# Allegro board FEE5_10_30.brd (continued)
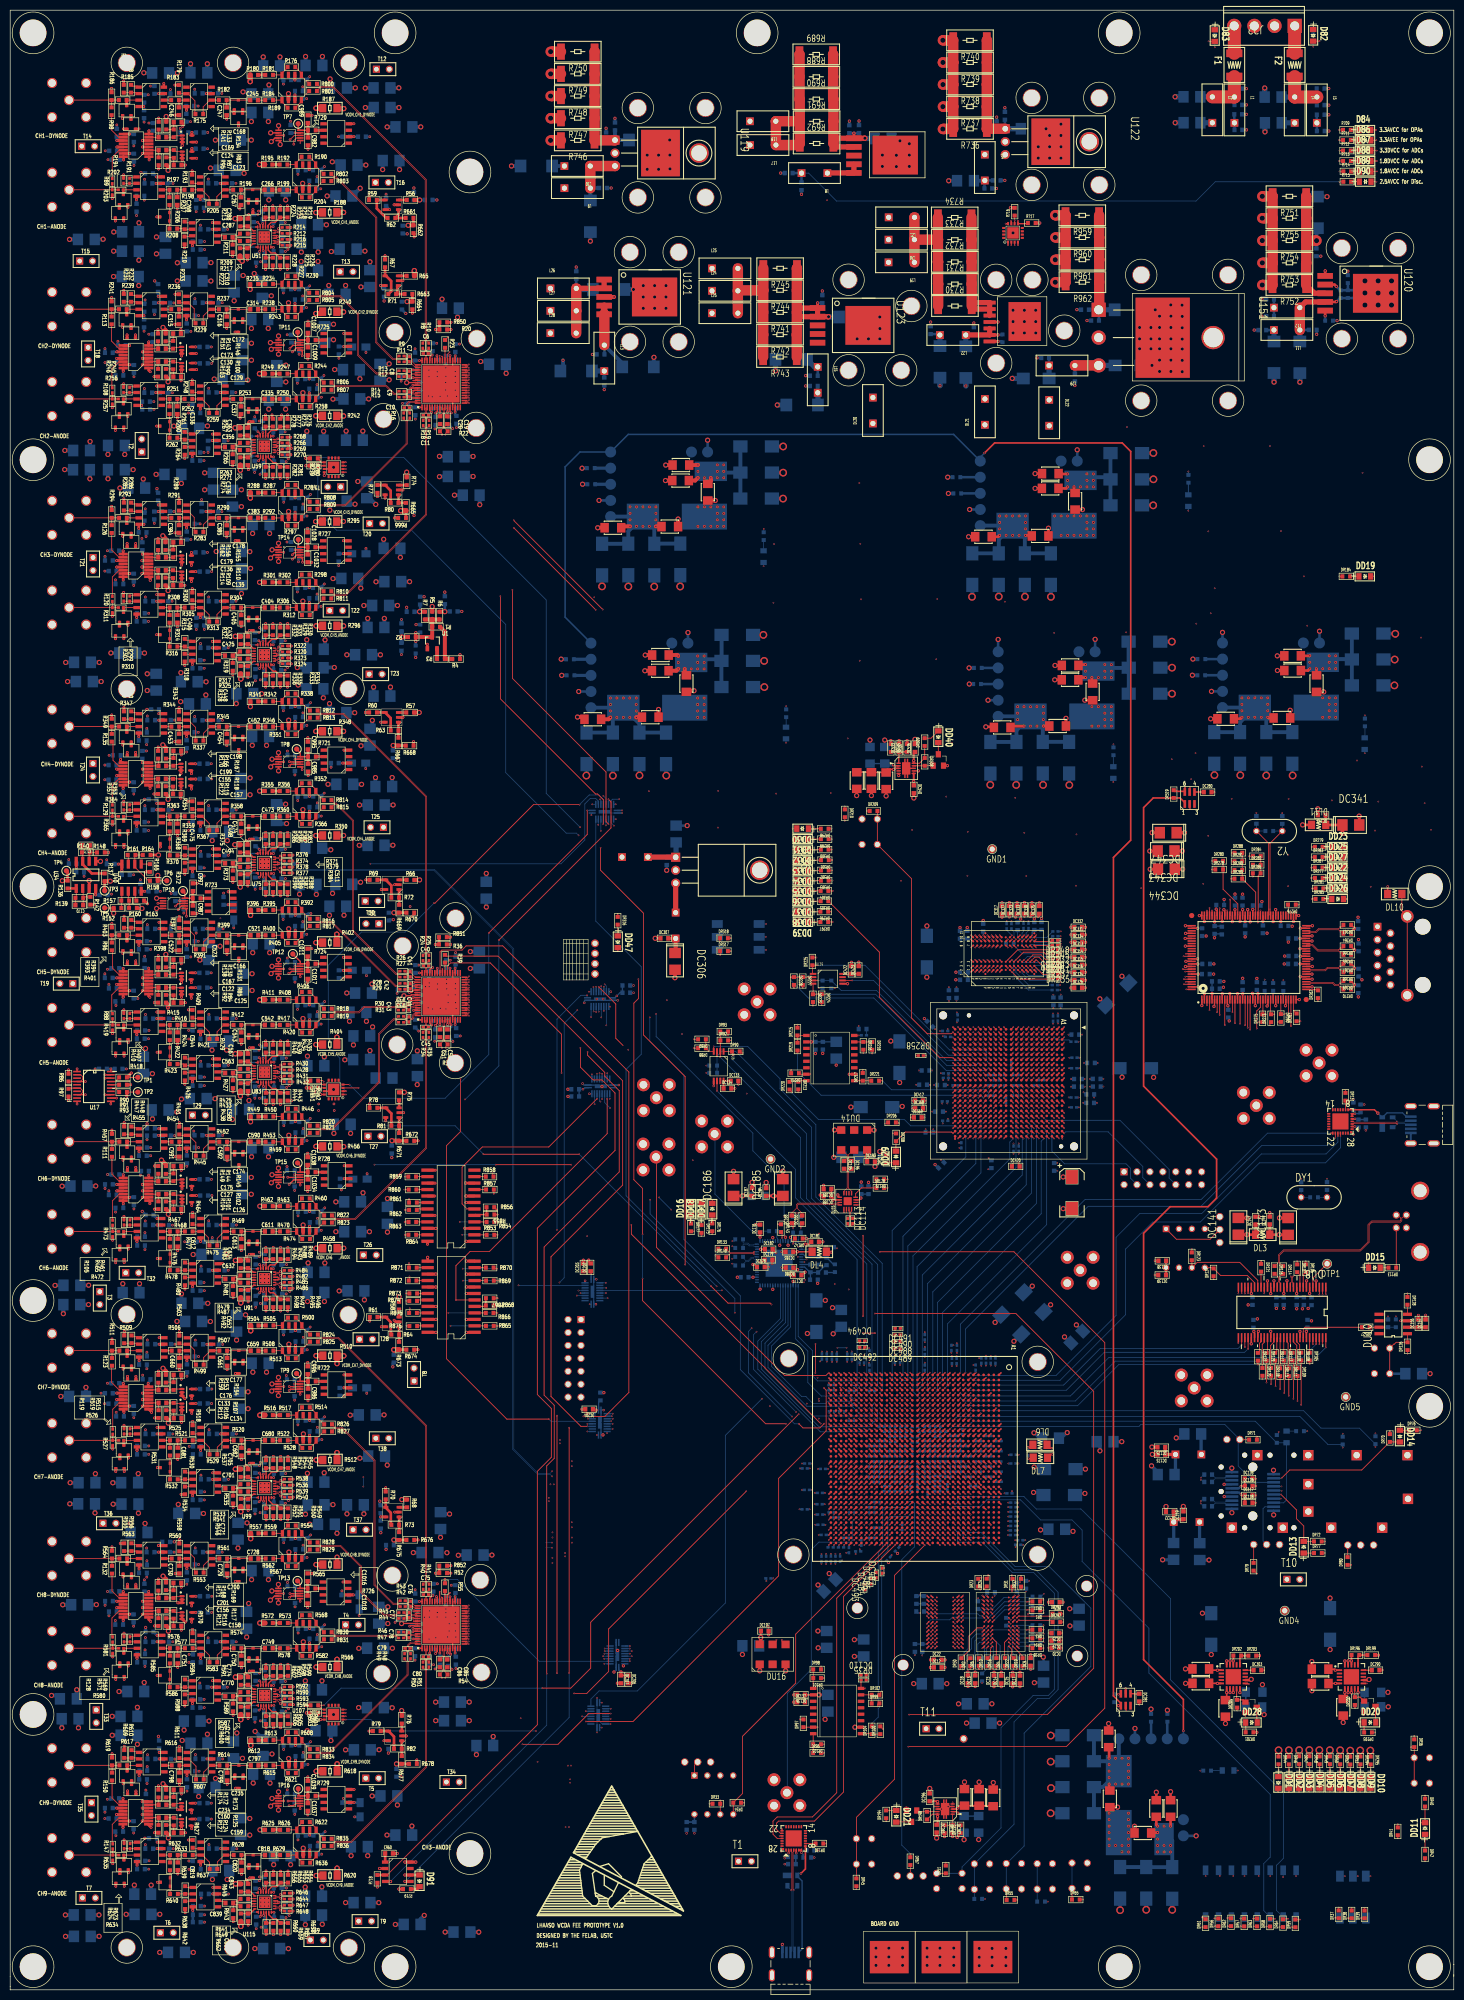
[diagram p0: board, top side]
## Library data of the parts (continued)
C659-C663 C665 C666 C668 C669 C671 C672 C674 C675 C677 C678 C680-C684 C686 C687 C689 C690 C692 C693 C695 C696 C698 C699 C701-C703 C705-C707 C709 C710 C712 C713 C715 C716 C721-C723 C725 = CAP NP: room: FEA_CH7
C664 C667 C670 C673 C676 C679 C685 C688 C691 C694 C697 C700 C704 C708 C711 C714 C717 C720 C724 C727 = CAP: room: FEA_CH7
C728-C732 C734 C735 C737 C738 C740 C741 C743-C746 C749-C753 C755 C756 C758 C759 C761 C762 C764 C765 C767 C768 C770 C772-C776 C778 C779 C781 C782 C784 C785 C787 C791 C792 C794 = CAP NP: room: FEA_CH8
C733 C736 C739 C742 C747 C748 C754 C757 C760 C763 C766 C769 C771 C777 C780 C783 C786 C790 C793 C796 = CAP: room: FEA_CH8
C797-C804 C807 C809 C810 C812-C815 C818-C822 C824 C825 C827 C828 C830 C831 C833 C834 C836 C837 C839-C841 C843-C845 C847 C848 C850 C851 C853 C854 C856 C858 C860 C861 C863 = CAP NP: room: FEA_CH9
C805 C806 C808 C811 C816 C817 C823 C826 C829 C832 C835 C838 C842 C846 C849 C852 C855 C859 C862 C865 = CAP: room: FEA_CH9
C866 C868 C870 C872 C874 C876 C878 C880 C882 = CAP NP: room: VCOM_MAKER
C884 C887 C896 C899 C909 C912 C929 C931 C932 C937-C941 = C: room: POWER
C885 C886 C888 C889 C897 C898 C900 C901 C910 C911 C913-C915 C917 C918 C923 C925 C927 C928 C933 C935 C944 C945 C1050 C1052 C1100 C1102 C1103 C1106 = CAP NP: room: POWER
C916 C919 C920 C922 C924 C926 C1101 C1104 C1105 = CAP: room: POWER
C930 C934 C936 C942 C943 C946 C1051 C1053 = CAP POL: room: POWER
C960 = C: room: SENSORS
C962 = CAP NP: room: SENSORS
C970-C979 C998-C1002 C1004 C1005 C1019 C1020 C1022-C1025 = C: room: THRESHOLD
C982 C983 C985-C989 C991 C993 C995-C997 C1007-C1009 C1011-C1013 C1016-C1018 C1028-C1030 C1032 C1034 C1035 C1037-C1039 = CAPACITOR NON-POL: room: THRESHOLD
C990 C992 C994 C1010 C1014 C1015 C1031 C1033 C1036 = CAP POL: room: THRESHOLD
D1-D9 = MA147: room: FEA_CH1
D10-D18 = MA147: room: FEA_CH2
D19-D27 = MA147: room: FEA_CH3
D28-D36 = MA147: room: FEA_CH4
D37-D45 = MA147: room: FEA_CH5
D46-D54 = MA147: room: FEA_CH6
D55-D63 = MA147: room: FEA_CH7
D64-D72 = MA147: room: FEA_CH8
D73-D81 = MA147: room: FEA_CH9
D82-D84 D86-D90 = LN1251C: room: POWER
D91 = LN1251C: room: SENSORS
DC1-DC5 DC7-DC10 DC12-DC15 DC17-DC20 DC22-DC25 DC27-DC29 DC33-DC36 DC38-DC59 DC61-DC86 DC92-DC103 DC105 DC106 DC108 DC109 DC113 DC114 DC117-DC119 DC122 DC123 DC125 DC126 DC128-DC134 DC136-DC140 DC142 DC144-DC149 DC151-DC184 DC187-DC193 DC195-DC198 DC209 DC210 DC213 DC218 DC219 DC224 DC225 DC227 DC228 DC235-DC237 DC242-DC246 DC254-DC256 DC259-DC261 DC267 DC269-DC273 DC280-DC287 DC289-DC300 DC302 DC303 DC310-DC340 DC342 DC345 DC346 DC348-DC365 DC422-DC503 DC505-DC528 DC533-DC540 DC543 DC544 DTC221 = CAP NP
DC6 DC11 DC16 DC21 DC26 DC110 DC120 DC121 DC124 DC127 DC185 DC186 DC200-DC207 DC304-DC308 DC341 DC343 DC344 DC347 DC366-DC377 DC380-DC387 DC389-DC393 DC395-DC421 DC531 DC532 DC541 DC542 = C
DC30-DC32 DC37 DC60 DC87-DC91 DC104 DC107 DC208 DC211 DC212 DC214-DC217 DC220 DC222 DC223 DC226 DC229-DC234 DC238-DC241 DC247-DC253 DC257 DC258 DC262-DC266 DC268 DC274-DC279 DC288 DC301 DC504 = CAP POL
DC135 DC141 DC143 DC150 DC309 DC378 DC379 DC388 DC394 DC529 DC530 = CAP
DC194 DC199 = CAPACITOR POL
DD1-DD10 DD30-DD39 = LN1251C
DD11-DD29 DD40-DD47 = LED
DJ1 DJ3 DJ5 DJ6 DJ9 = JUMPER_3
DJ2 DJ14 = JTAG_CON14A
DJ4 = JUMPER
DJ8 = USB_CON6
DJ10 DJ11 = USB_MINI_B
DJ12 DJ15-DJ22 = LEMO_S
DL1-DL7 DL10 DL11 = INDUCTOR
DL8 DL9 DL22 = INDUCTOR_0
DL20 DL21 L1 L2 L4 L5 L8-L15 L17-L29 = INDUCTOR_0: room: POWER
DR1-DR42 DR44-DR80 DR88-DR90 DR92-DR133 DR135 DR140 DR142 DR143 DR145 DR151 DR152 DR164 DR170 DR173-DR206 DR208-DR225 DR227-DR320 R959-R962 = R
DSW1 DSW13 = DIP_SDA03H1SBD
DSW2-DSW6 DSW8-DSW10 DSW12 = SW_TC_SPST
DSW7 = SW DIP-8
DTP1 GND1-GND5 = T POINT A
DU1 DU2 = ddr3_78pin
DU3 DU9 = 24LC64-I/P
DU4 = A7_FFG1156
DU5 = 74441-0010
DU6 DU39 = AT93C46D
DU7 DU38 = N25Q256A13ESF40G: Tolerance: ***; User Part Number: ***
DU8 = CY7C68013A-56PVXC_0
DU10 = ADM706RAR_0
DU11 DU12 = CP2103
DU13 = AD9522-3
DU14 DU16 = SiT9102
DU15 = SY8933L
DU17 DU20 DU21 DU24 DU44-DU46 = 74LVT244A
DU25-DU30 = PTH08T240W
DU31 DU32 = TPS3808
DU33 DU35 = TPS74401
DU34 DU43 = TPS51200
DU36 = MIC29150-3.3BU
DU37 = 6slx45tfgg484
DU40 = ddr3_96pin
DU41 = M88E1111
DU42 = 10/100/1000 RJ45_0
DX1 DX2 = SP0503BAHT
DY1 = XM/SM
F1 F2 = FUSE_0: room: POWER
G1-G3 = GND_GND
J4 J5 = SMA: room: FEA_CH1
J6 J7 = SMA: room: FEA_CH2
J8 J9 = SMA: room: FEA_CH3
J10 J11 = SMA: room: FEA_CH4
J12 J13 = SMA: room: FEA_CH5
J14 J15 = SMA: room: FEA_CH6
J16 J17 = SMA: room: FEA_CH7
J18 J19 = SMA: room: FEA_CH8
J20 J21 = SMA: room: FEA_CH9
J22 = HEADER 4: room: POWER
Q1-Q3 Q5 = NDS351N/SOT
R1-R23 R850 = R: room: ADC1
R24-R39 R851 = R: room: ADC2
R40-R55 R852 = R: room: ADC3
R56-R82 = R: room: VREF
R83-R93 R95-R174 = R: room: Cali
R175-R211 R213 R217-R219 R222-R228 R800-R803 = R: room: FEA_CH1
R212 R214-R216 R220 R221 = r: room: FEA_CH1
R229-R265 R267 R271 R274-R282 R804-R807 = R: room: FEA_CH2
R266 R268-R270 R272 R273 = r: room: FEA_CH2
R283-R319 R321 R325-R336 R808-R811 = R: room: FEA_CH3
R320 R322-R324 = r: room: FEA_CH3
R337-R373 R375 R379-R390 R812-R815 = R: room: FEA_CH4
R374 R376-R378 = r: room: FEA_CH4
R391-R427 R429 R433-R444 R816-R819 = R: room: FEA_CH5
R428 R430-R432 = r: room: FEA_CH5
R445-R481 R483 R487-R498 R820-R823 = R: room: FEA_CH6
R482 R484-R486 = r: room: FEA_CH6
R499-R535 R537 R541-R552 R824-R827 = R: room: FEA_CH7
R536 R538-R540 = r: room: FEA_CH7
R553-R589 R591 R595-R606 R828-R831 = R: room: FEA_CH8
R590 R592-R594 = r: room: FEA_CH8
R607-R643 R645 R649-R660 R833-R836 R853-R876 = R: room: FEA_CH9
R644 R646-R648 = r: room: FEA_CH9
R661-R678 = R: room: VCOM_MAKER
R688-R696 R707-R709 R711-R715 R730-R755 = R: room: POWER
R716 R717 R1000-R1005 = R: room: SENSERS
R718 R719 = R: room: SENSORS
R720-R729 = R: room: THRESHOLD
T1-T39 = CON2: room: TESTPOINT
TP1-TP6 = T POINT A: room: Cali
TP7-TP16 = T POINT A: room: THRESHOLD
U1 = ADR510: room: ADC1
U2 = AD9222: room: ADC1
U3 = AD9222: room: ADC2
U4 = AD9222: room: ADC3
U5-U13 = AD8628_RJ5: User Part Number: PN?; room: VREF
U14 U18 U22 U23 U26 U28 U30 U31 U36 = LT6554: room: Cali
U15 U16 U19-U21 U24 U25 U27 U29 U32 U33 U35 U37-U39 U41-U43 = FSAT66_0: room: Cali
U17 = 74lvth244: room: Cali
U34 U40 = Tlv2422adi_1: room: Cali
U44 U47 U50 = AD8000: Tolerance: ***; User Part Number: ***; room: FEA_CH1
U45 U48 = AD8057: Tolerance: ***; User Part Number: ***; room: FEA_CH1
U46 U49 = AD8139: Tolerance: ***; User Part Number: ***; room: FEA_CH1
U51 = LMH7322-2: room: FEA_CH1
U52 U55 U58 = AD8000: Tolerance: ***; User Part Number: ***; room: FEA_CH2
U53 U57 = AD8057: Tolerance: ***; User Part Number: ***; room: FEA_CH2
U54 U56 = AD8139: Tolerance: ***; User Part Number: ***; room: FEA_CH2
U59 = LMH7322-2: room: FEA_CH2
U60 U64 U66 = AD8000: Tolerance: ***; User Part Number: ***; room: FEA_CH3
U61 U65 = AD8057: Tolerance: ***; User Part Number: ***; room: FEA_CH3
U62 U63 = AD8139: Tolerance: ***; User Part Number: ***; room: FEA_CH3
U67 = LMH7322-2: room: FEA_CH3
U68 U72 U74 = AD8000: Tolerance: ***; User Part Number: ***; room: FEA_CH4
U69 U73 = AD8057: Tolerance: ***; User Part Number: ***; room: FEA_CH4
U70 U71 = AD8139: Tolerance: ***; User Part Number: ***; room: FEA_CH4
U75 = LMH7322-2: room: FEA_CH4
U76 U79 U82 = AD8000: Tolerance: ***; User Part Number: ***; room: FEA_CH5
U77 U80 = AD8057: Tolerance: ***; User Part Number: ***; room: FEA_CH5
U78 U81 = AD8139: Tolerance: ***; User Part Number: ***; room: FEA_CH5
U83 = LMH7322-2: room: FEA_CH5
U84 U87 U90 = AD8000: Tolerance: ***; User Part Number: ***; room: FEA_CH6
U85 U88 = AD8057: Tolerance: ***; User Part Number: ***; room: FEA_CH6
U86 U89 = AD8139: Tolerance: ***; User Part Number: ***; room: FEA_CH6
U91 = LMH7322-2: room: FEA_CH6
U92 U95 U98 = AD8000: Tolerance: ***; User Part Number: ***; room: FEA_CH7
U93 U96 = AD8057: Tolerance: ***; User Part Number: ***; room: FEA_CH7
U94 U97 = AD8139: Tolerance: ***; User Part Number: ***; room: FEA_CH7
U99 = LMH7322-2: room: FEA_CH7
U100 U103 U106 = AD8000: Tolerance: ***; User Part Number: ***; room: FEA_CH8
U101 U105 = AD8139: Tolerance: ***; User Part Number: ***; room: FEA_CH8
U102 U104 = AD8057: Tolerance: ***; User Part Number: ***; room: FEA_CH8
U107 = LMH7322-2: room: FEA_CH8
U108 U111 = AD8057: Tolerance: ***; User Part Number: ***; room: FEA_CH9
U109 U113 U114 = AD8000: Tolerance: ***; User Part Number: ***; room: FEA_CH9
U110 U112 = AD8139: Tolerance: ***; User Part Number: ***; room: FEA_CH9
U115 = LMH7322-2: room: FEA_CH9
U118 = LT1764afb: room: POWER
U119 U122 = MIC29150-3_0.3BU: room: POWER
U120 = LT1185: room: POWER
U121 U123 = LT1764A_0: room: POWER
U125 U152-U154 = ADT7320: room: SENSERS
U126 = HIH8131: Tolerance: ***; User Part Number: ***; room: SENSORS
U127 = AM2303: room: SENSERS
U128-U131 U136-U138 U142-U144 = AD5644: room: THRESHOLD
U132-U135 U139-U141 U145-U147 = ADR4525: Tolerance: ***; User Part Number: ***; room: THRESHOLD
U148 U149 = CDC2351
U150 = MIC39501-2.5
U151 = MIC29302WU_1: room: POWER
Y2 = CRYSTAL13_1

## Footprints (pads in the part's own frame, mm; a bottom-side part is the same pattern mirrored in y, then rotated)
5-LEAD_PLASTIC_DD
  rect 1.143x3.048 smd: 1(0,0) 2(1.702,0) 3(3.404,0) 4(5.105,0) 5(6.807,0)
  rect 7.62x8.89 smd: 6(3.302,8.128)
10-LEAD_MSOP
  rect 0.305x1.27 smd: 1(194.462,272.573) 2(194.963,272.573) 3(195.463,272.573) 4(195.963,272.573) 5(196.461,272.573) 6(196.461,276.842) 7(195.963,276.842) 8(195.463,276.842) 9(194.963,276.842) 10(194.462,276.842)
16_LEAD_SSOP
  rect 0.508x1.778 smd: 1(167.607,273.088) 2(168.242,273.088) 3(168.877,273.088) 4(169.512,273.088) 5(170.147,273.088) 6(170.782,273.088) 7(171.417,273.088) 8(172.052,273.088) 9(172.052,278.115) 10(171.417,278.115) 11(170.782,278.115) 12(170.147,278.115) 13(169.512,278.115) 14(168.877,278.115) 15(168.242,278.115) 16(167.607,278.115)
1206
  rect 1.651x1.88 smd: 1(-1.632,0) 2(1.632,0)
AM2303
  round 1.524 hole 1.016: 1(231.99,191.05) 2(233.99,191.05) 3(235.99,191.05) 4(237.99,191.05)
BL02RN2R1M2B
  rect 1.524x1.524 hole 1.016: 1(-2.54,0) 2(2.54,0)
CON-BNC-S-T
  round 2.54 hole 1.524: 1(0,0) 2(2.54,-2.54) 3(2.54,2.54) 4(-2.54,2.54) 5(-2.54,-2.54)
CONN_USB_MINI_B_TH
  rect 0.508x2.286 smd: 1(-1.6,3.742) 2(-0.8,3.742) 3(0,3.742) 4(0.8,3.742) 5(1.6,3.742)
  oval 1.219x2.413 hole 0.711x1.905: 6(3.65,3.749) 7(3.65,-0.751) 8(-3.65,3.749) 9(-3.65,-0.751)
CP-64-3
  rect 1.151x0.3 smd: 1(0,0) 2(0,-0.5) 3(0,-1.001) 4(0,-1.501) 5(0,-1.999) 6(0,-2.499) 7(0,-3) 8(0,-3.5) 9(0,-4) 10(0,-4.501) 11(0,-4.999) 12(0,-5.499) 13(0,-6) 14(0,-6.5) 15(0,-7) 16(0,-7.501) 33(9.2,-7.501) 34(9.2,-7) 35(9.2,-6.5) 36(9.2,-6) 37(9.2,-5.499) 38(9.2,-4.999) 39(9.2,-4.501) 40(9.2,-4) 41(9.2,-3.5) 42(9.2,-3) 43(9.2,-2.499) 44(9.2,-1.999) 45(9.2,-1.501) 46(9.2,-1.001) 47(9.2,-0.5) 48(9.2,0)
  rect 0.3x1.151 smd: 17(0.851,-8.349) 18(1.351,-8.349) 19(1.849,-8.349) 20(2.349,-8.349) 21(2.85,-8.349) 22(3.35,-8.349) 23(3.851,-8.349) 24(4.351,-8.349) 25(4.849,-8.349) 26(5.349,-8.349) 27(5.85,-8.349) 28(6.35,-8.349) 29(6.85,-8.349) 30(7.351,-8.349) 31(7.851,-8.349) 32(8.349,-8.349) 49(8.349,0.851) 50(7.851,0.851) 51(7.351,0.851) 52(6.85,0.851) 53(6.35,0.851) 54(5.85,0.851) 55(5.349,0.851) 56(4.849,0.851) 57(4.351,0.851) 58(3.851,0.851) 59(3.35,0.851) 60(2.85,0.851) 61(2.349,0.851) 62(1.849,0.851) 63(1.351,0.851) 64(0.851,0.851)
  rect 7.249x7.249 smd: 65(4.6,-3.749)
CP-64-4
  rect 0.762x0.254 smd: 1(-4.343,3.749) 2(-4.343,3.251) 3(-4.343,2.751) 4(-4.343,2.25) 5(-4.343,1.75) 6(-4.343,1.25) 7(-4.343,0.749) 8(-4.343,0.249) 9(-4.343,-0.249) 10(-4.343,-0.749) 11(-4.343,-1.25) 12(-4.343,-1.75) 13(-4.343,-2.25) 14(-4.343,-2.751) 15(-4.343,-3.251) 16(-4.343,-3.749) 33(4.356,-3.749) 34(4.356,-3.251) 35(4.356,-2.751) 36(4.356,-2.25) 37(4.356,-1.75) 38(4.356,-1.25) 39(4.356,-0.749) 40(4.356,-0.249) 41(4.356,0.249) 42(4.356,0.749) 43(4.356,1.25) 44(4.356,1.75) 45(4.356,2.25) 46(4.356,2.751) 47(4.356,3.251) 48(4.356,3.749)
  rect 0.254x0.762 smd: 17(-3.749,-4.356) 18(-3.251,-4.356) 19(-2.751,-4.356) 20(-2.25,-4.356) 21(-1.75,-4.356) 22(-1.25,-4.356) 23(-0.749,-4.356) 24(-0.249,-4.356) 25(0.249,-4.356) 26(0.749,-4.356) 27(1.25,-4.356) 28(1.75,-4.356) 29(2.25,-4.356) 30(2.751,-4.356) 31(3.251,-4.356) 32(3.749,-4.356) 49(3.749,4.356) 50(3.251,4.356) 51(2.751,4.356) 52(2.25,4.356) 53(1.75,4.356) 54(1.25,4.356) 55(0.749,4.356) 56(0.249,4.356) 57(-0.249,4.356) 58(-0.749,4.356) 59(-1.25,4.356) 60(-1.75,4.356) 61(-2.25,4.356) 62(-2.748,4.356) 63(-3.251,4.356) 64(-3.749,4.356)
  rect 5.334x5.334 smd: 65(0,0)
DHVQFN20
  rect 1.4x0.3 smd: 1(-2.45,-0.25) 10(2.45,-0.25) 11(2.45,0.25) 20(-2.45,0.25)
  rect 0.3x1.4 smd: 2(-1.75,-1.45) 3(-1.25,-1.45) 4(-0.75,-1.45) 5(-0.25,-1.45) 6(0.25,-1.45) 7(0.75,-1.45) 8(1.25,-1.45) 9(1.75,-1.45) 12(1.75,1.45) 13(1.25,1.45) 14(0.75,1.45) 15(0.25,1.45) 16(-0.25,1.45) 17(-0.75,1.45) 18(-1.25,1.45) 19(-1.75,1.45)
  rect 2.4x0.7 smd: 21(0,0)
DIP8-100-300
  rect 1.27x1.27 hole 0.813: 1(-3.81,-3.81)
  round 1.27 hole 0.813: 2(-1.27,-3.81) 3(1.27,-3.81) 4(3.81,-3.81) 5(3.81,3.81) 6(1.27,3.81) 7(-1.27,3.81) 8(-3.81,3.81)
DW_SOIC24
  rect 0.635x2.388 smd: 1(207.264,276.454) 2(208.534,276.454) 3(209.804,276.454) 4(211.074,276.454) 5(212.344,276.454) 6(213.614,276.454) 7(214.884,276.454) 8(216.154,276.454) 9(217.424,276.454) 10(218.694,276.454) 11(219.964,276.454) 12(221.234,276.454) 13(221.234,285.674) 14(219.964,285.674) 15(218.694,285.674) 16(217.424,285.674) 17(216.154,285.674) 18(214.884,285.674) 19(213.614,285.674) 20(212.344,285.674) 21(211.074,285.674) 22(209.804,285.674) 23(208.534,285.674) 24(207.264,285.674)
FBGA_78
  round 0.35 smd: A1(-3.2,4.8) A2(-2.4,4.8) A3(-1.6,4.8) A7(1.6,4.8) A8(2.4,4.8) A9(3.2,4.8) B1(-3.2,4) B2(-2.4,4) B3(-1.6,4) B7(1.6,4) B8(2.4,4) B9(3.2,4) C1(-3.2,3.2) C2(-2.4,3.2) C3(-1.6,3.2) C7(1.6,3.2) C8(2.4,3.2) C9(3.2,3.2) D1(-3.2,2.4) D2(-2.4,2.4) D3(-1.6,2.4) D7(1.6,2.4) D8(2.4,2.4) D9(3.2,2.4) E1(-3.2,1.6) E2(-2.4,1.6) E3(-1.6,1.6) E7(1.6,1.6) E8(2.4,1.6) E9(3.2,1.6) F1(-3.2,0.8) F2(-2.4,0.8) F3(-1.6,0.8) F7(1.6,0.8) F8(2.4,0.8) F9(3.2,0.8) G1(-3.2,0) G2(-2.4,0) G3(-1.6,0) G7(1.6,0) G8(2.4,0) G9(3.2,0) H1(-3.2,-0.8) H2(-2.4,-0.8) H3(-1.6,-0.8) H7(1.6,-0.8) H8(2.4,-0.8) H9(3.2,-0.8) J1(-3.2,-1.6) J2(-2.4,-1.6) J3(-1.6,-1.6) J7(1.6,-1.6) J8(2.4,-1.6) J9(3.2,-1.6) K1(-3.2,-2.4) K2(-2.4,-2.4) K3(-1.6,-2.4) K7(1.6,-2.4) K8(2.4,-2.4) K9(3.2,-2.4) L1(-3.2,-3.2) L2(-2.4,-3.2) L3(-1.6,-3.2) L7(1.6,-3.2) L8(2.4,-3.2) L9(3.2,-3.2) M1(-3.2,-4) M2(-2.4,-4) M3(-1.6,-4) M7(1.6,-4) M8(2.4,-4) M9(3.2,-4) N1(-3.2,-4.8) N2(-2.4,-4.8) N3(-1.6,-4.8) N7(1.6,-4.8) N8(2.4,-4.8) N9(3.2,-4.8)
FBGA_DDR3_82P_96P
  round 0.4 smd: (-4,3.6) (-4,-6) (4,3.6) (4,-6) A1(-3.2,6) A2(-2.4,6) A3(-1.6,6) A7(1.6,6) A8(2.4,6) A9(3.2,6) B1(-3.2,5.2) B2(-2.4,5.2) B3(-1.6,5.2) B7(1.6,5.2) B8(2.4,5.2) B9(3.2,5.2) C1(-3.2,4.4) C2(-2.4,4.4) C3(-1.6,4.4) C7(1.6,4.4) C8(2.4,4.4) C9(3.2,4.4) D1(-3.2,3.6) D2(-2.4,3.6) D3(-1.6,3.6) D7(1.6,3.6) D8(2.4,3.6) D9(3.2,3.6) E1(-3.2,2.8) E2(-2.4,2.8) E3(-1.6,2.8) E7(1.6,2.8) E8(2.4,2.8) E9(3.2,2.8) F1(-3.2,2) F2(-2.4,2) F3(-1.6,2) F7(1.6,2) F8(2.4,2) F9(3.2,2) G1(-3.2,1.2) G2(-2.4,1.2) G3(-1.6,1.2) G7(1.6,1.2) G8(2.4,1.2) G9(3.2,1.2) H1(-3.2,0.4) H2(-2.4,0.4) H3(-1.6,0.4) H7(1.6,0.4) H8(2.4,0.4) H9(3.2,0.4) J1(-3.2,-0.4) J2(-2.4,-0.4) J3(-1.6,-0.4) J7(1.6,-0.4) J8(2.4,-0.4) J9(3.2,-0.4) K1(-3.2,-1.2) K2(-2.4,-1.2) K3(-1.6,-1.2) K7(1.6,-1.2) K8(2.4,-1.2) K9(3.2,-1.2) L1(-3.2,-2) L2(-2.4,-2) L3(-1.6,-2) L7(1.6,-2) L8(2.4,-2) L9(3.2,-2) M1(-3.2,-2.8) M2(-2.4,-2.8) M3(-1.6,-2.8) M7(1.6,-2.8) M8(2.4,-2.8) M9(3.2,-2.8) N1(-3.2,-3.6) N2(-2.4,-3.6) N3(-1.6,-3.6) N7(1.6,-3.6) N8(2.4,-3.6) N9(3.2,-3.6) P1(-3.2,-4.4) P2(-2.4,-4.4) P3(-1.6,-4.4) P7(1.6,-4.4) P8(2.4,-4.4) P9(3.2,-4.4) R1(-3.2,-5.2) R2(-2.4,-5.2) R3(-1.6,-5.2) R7(1.6,-5.2) R8(2.4,-5.2) R9(3.2,-5.2) T1(-3.2,-6) T2(-2.4,-6) T3(-1.6,-6) T7(1.6,-6) T8(2.4,-6) T9(3.2,-6)
GND40
  round 1.524 hole 1.016: 1(0,0)
GND_GND
  rect 7.62x6.35 smd: 1(-274.32,375.92)
HDR2X2_54
  round 1.45 hole 1.1: 1(-1.27,0) 2(1.27,0)
HDR3X2_54
  round 1.45 hole 1.1: 1(-2.54,0) 2(0,0) 3(2.54,0)
HEAD-14P
  rect 1.397x1.397 hole 1.016: 1(-7.62,-1.27)
  round 1.397 hole 1.016: 2(-7.62,1.27) 3(-5.08,-1.27) 4(-5.08,1.27) 5(-2.54,-1.27) 6(-2.54,1.27) 7(0,-1.27) 8(0,1.27) 9(2.54,-1.27) 10(2.54,1.27) 11(5.08,-1.27) 12(5.08,1.27) 13(7.62,-1.27) 14(7.62,1.27)
LASER22-4816-M
  round 1.016 hole 1.016 unplated: (-3.988,-10.516) (-3.988,3.734) (0.711,-10.516) (0.711,3.734) (5.69,-10.516) (5.69,3.734) (10.312,-8.204) (10.312,-3.404) (10.312,1.397)
  round 1.778 hole 1.778 unplated: (4.089,-8.204) (4.089,1.397)
  rect 2.54x0.508 smd: 1(0,0) 2(0,-0.813) 3(0,-1.6) 4(0,-2.388) 5(0,-3.2) 6(0,-3.988) 7(0,-4.801) 8(0,-5.588) 9(0,-6.401) 10(0,-7.188) 11(8.204,-6.807) 12(8.204,-5.994) 13(8.204,-5.207) 14(8.204,-4.394) 15(8.204,-3.607) 16(8.204,-2.794) 17(8.204,-2.007) 18(8.204,-1.194) 19(8.204,-0.406) 20(8.204,0.406)
  rect 2.032x2.032 hole 1.27: 23(-21.311,-10.516) 24(-11.303,-10.516) 26(-1.803,-10.516) 29(8.204,-10.516) 37(-6.807,3.734) 38(-16.307,3.734) 39(-26.289,3.734) 40(-26.391,-4.851) 41(-6.807,-7.341) 42(-6.807,-1.956)
  rect 2.032x2.032 hole 1.016: 34(3.2,3.734)
LFCSP
  rect 0.599x0.399 smd: 1(188.73,226.42) 2(188.73,225.77) 3(188.73,225.12) 4(188.73,224.47) 9(192.38,224.47) 10(192.38,225.12) 11(192.38,225.77) 12(192.38,226.42)
  rect 0.399x0.599 smd: 5(189.58,223.62) 6(190.23,223.62) 7(190.88,223.62) 8(191.53,223.62) 13(191.53,227.27) 14(190.88,227.27) 15(190.23,227.27) 16(189.58,227.27)
  rect 2.235x2.235 smd: 17(190.56,225.44)
MJ4-SR-1-S
  round 1.397 hole 0.914: 1(0,0) 2(-2.489,0) 3(-2.489,-1.981) 4(0,-1.981)
  round 3.556 hole 2.54: 5(-7.264,-4.699) 6(4.775,-4.699)
PB4_5
  round 1.4 hole 1: 1(-1.5,2.5) 2(-1.5,-2.5) 3(1.5,-2.5) 4(1.5,2.5)
PQFP50P1720X2320-128R
  round 1 smd: (-8.25,-11.25) (8.25,11.25)
  rect 1.6x0.3 smd: 1(-8.25,9.25) 2(-8.25,8.75) 3(-8.25,8.25) 4(-8.25,7.75) 5(-8.25,7.25) 6(-8.25,6.75) 7(-8.25,6.25) 8(-8.25,5.75) 9(-8.25,5.25) 10(-8.25,4.75) 11(-8.25,4.25) 12(-8.25,3.75) 13(-8.25,3.25) 14(-8.25,2.75) 15(-8.25,2.25) 16(-8.25,1.75) 17(-8.25,1.25) 18(-8.25,0.75) 19(-8.25,0.25) 20(-8.25,-0.25) 21(-8.25,-0.75) 22(-8.25,-1.25) 23(-8.25,-1.75) 24(-8.25,-2.25) 25(-8.25,-2.75) 26(-8.25,-3.25) 27(-8.25,-3.75) 28(-8.25,-4.25) 29(-8.25,-4.75) 30(-8.25,-5.25) 31(-8.25,-5.75) 32(-8.25,-6.25) 33(-8.25,-6.75) 34(-8.25,-7.25) 35(-8.25,-7.75) 36(-8.25,-8.25) 37(-8.25,-8.75) 38(-8.25,-9.25) 65(8.25,-9.25) 66(8.25,-8.75) 67(8.25,-8.25) 68(8.25,-7.75) 69(8.25,-7.25) 70(8.25,-6.75) 71(8.25,-6.25) 72(8.25,-5.75) 73(8.25,-5.25) 74(8.25,-4.75) 75(8.25,-4.25) 76(8.25,-3.75) 77(8.25,-3.25) 78(8.25,-2.75) 79(8.25,-2.25) 80(8.25,-1.75) 81(8.25,-1.25) 82(8.25,-0.75) 83(8.25,-0.25) 84(8.25,0.25) 85(8.25,0.75) 86(8.25,1.25) 87(8.25,1.75) 88(8.25,2.25) 89(8.25,2.75) 90(8.25,3.25) 91(8.25,3.75) 92(8.25,4.25) 93(8.25,4.75) 94(8.25,5.25) 95(8.25,5.75) 96(8.25,6.25) 97(8.25,6.75) 98(8.25,7.25) 99(8.25,7.75) 100(8.25,8.25) 101(8.25,8.75) 102(8.25,9.25)
  rect 0.3x1.6 smd: 39(-6.25,-11.25) 40(-5.75,-11.25) 41(-5.25,-11.25) 42(-4.75,-11.25) 43(-4.25,-11.25) 44(-3.75,-11.25) 45(-3.25,-11.25) 46(-2.75,-11.25) 47(-2.25,-11.25) 48(-1.75,-11.25) 49(-1.25,-11.25) 50(-0.75,-11.25) 51(-0.25,-11.25) 52(0.25,-11.25) 53(0.75,-11.25) 54(1.25,-11.25) 55(1.75,-11.25) 56(2.25,-11.25) 57(2.75,-11.25) 58(3.25,-11.25) 59(3.75,-11.25) 60(4.25,-11.25) 61(4.75,-11.25) 62(5.25,-11.25) 63(5.75,-11.25) 64(6.25,-11.25) 103(6.25,11.25) 104(5.75,11.25) 105(5.25,11.25) 106(4.75,11.25) 107(4.25,11.25) 108(3.75,11.25) 109(3.25,11.25) 110(2.75,11.25) 111(2.25,11.25) 112(1.75,11.25) 113(1.25,11.25) 114(0.75,11.25) 115(0.25,11.25) 116(-0.25,11.25) 117(-0.75,11.25) 118(-1.25,11.25) 119(-1.75,11.25) 120(-2.25,11.25) 121(-2.75,11.25) 122(-3.25,11.25) 123(-3.75,11.25) 124(-4.25,11.25) 125(-4.75,11.25) 126(-5.25,11.25) 127(-5.75,11.25) 128(-6.25,11.25)
PTH08T240W
  round 2.159 smd: 1(-9.525,6.34) 2(-9.525,3.17) 3(-9.525,-6.34) 4(-6.355,-6.34) 5(3.175,-6.34) 6(9.525,-6.34) 7(9.525,-3.17) 8(9.525,0) 9(9.525,3.17) 10(9.525,6.34) 11(-6.355,6.34)
QFN65P500X500-21
  rect 1.05x0.35 smd: 1(-2.35,1.3) 2(-2.35,0.65) 3(-2.35,0) 4(-2.35,-0.65) 5(-2.35,-1.3) 11(2.35,-1.3) 12(2.35,-0.65) 13(2.35,0) 14(2.35,0.65) 15(2.35,1.3)
  rect 0.35x1.05 smd: 6(-1.3,-2.35) 7(-0.65,-2.35) 8(0,-2.35) 9(0.65,-2.35) 10(1.3,-2.35) 16(1.3,2.35) 17(0.65,2.35) 18(0,2.35) 19(-0.65,2.35) 20(-1.3,2.35)
  rect 3x3 smd: 21(0,0)
QFN_16
  rect 0.889x0.254 smd: 1(-1.562,0.749) 2(-1.562,0.249) 3(-1.562,-0.249) 4(-1.562,-0.749) 9(1.562,-0.749) 10(1.562,-0.249) 11(1.562,0.249) 12(1.562,0.749)
  rect 0.254x0.889 smd: 5(-0.749,-1.562) 6(-0.249,-1.562) 7(0.249,-1.562) 8(0.749,-1.562) 13(0.749,1.562) 14(0.249,1.562) 15(-0.249,1.562) 16(-0.749,1.562)
  rect 1.575x1.575 smd: 17(0,0)
QFN_28
  rect 0.61x0.305 smd: 1(-2.297,1.5) 2(-2.297,1) 3(-2.297,0.5) 4(-2.297,0) 5(-2.297,-0.5) 6(-2.297,-1) 7(-2.297,-1.5) 15(2.297,-1.5) 16(2.297,-1) 17(2.297,-0.5) 18(2.297,0) 19(2.297,0.5) 20(2.297,1) 21(2.297,1.5)
  rect 0.305x0.61 smd: 8(-1.5,-2.297) 9(-1,-2.297) 10(-0.5,-2.297) 11(0,-2.297) 12(0.5,-2.297) 13(1,-2.297) 14(1.5,-2.297) 22(1.5,2.297) 23(1,2.297) 24(0.5,2.297) 25(0,2.297) 26(-0.5,2.297) 27(-1,2.297) 28(-1.5,2.297)
  rect 0.432x0.432 smd: 29(-2.108,2.108)
  rect 3.15x3.15 smd: 30(0,0)
QPF24-50-420
  rect 0.254x0.635 smd: 1(1.245,1.956) 2(0.737,1.956) 3(0.229,1.956) 4(-0.279,1.956) 5(-0.787,1.956) 6(-1.295,1.956) 13(-1.245,-1.956) 14(-0.737,-1.956) 15(-0.229,-1.956) 16(0.279,-1.956) 17(0.787,-1.956) 18(1.295,-1.956)
  rect 0.635x0.254 smd: 7(-1.956,1.245) 8(-1.956,0.737) 9(-1.956,0.229) 10(-1.956,-0.279) 11(-1.956,-0.787) 12(-1.956,-1.295) 19(1.956,-1.245) 20(1.956,-0.737) 21(1.956,-0.229) 22(1.956,0.279) 23(1.956,0.787) 24(1.956,1.295)
  rect 2.235x2.235 smd: 25(0,0)
RJ45_HFJ11-1G01E
  round 3.099 hole 3.251 unplated: (-5.715,0) (5.715,0)
  rect 1.524x1.524 hole 0.914: 1(-5.71,8.89)
  round 1.524 hole 1.016: 2(-4.44,6.35) 3(-3.17,8.89) 4(-1.9,6.35) 5(-0.63,8.89) 6(0.64,6.35) 7(1.91,8.89) 8(3.18,6.35) 9(4.45,8.89) 10(5.72,6.35)
  round 2.489 hole 1.6: SH1(-7.745,3.05) SH2(7.745,3.05)
RJ-5
  rect 0.549x1.001 smd: 1(-1.001,-1.425) 2(-0.051,-1.425) 3(0.899,-1.425) 4(0.899,1.206) 5(-1.001,1.206)
S-PAK7
  rect 0.762x2.388 smd: 1(179.807,230.556) 2(181.077,230.556) 3(182.347,230.556) 4(183.617,230.556) 5(184.887,230.556) 6(186.157,230.556) 7(187.427,230.556)
  rect 7.62x6.35 smd: 8(183.515,237.439)
SC0402
  rect 0.635x0.508 smd: 1(-0.508,0) 2(0.508,0)
SC0603
  rect 0.813x0.889 smd: 1(-0.762,0) 2(0.762,0)
SD0805
  rect 1.016x1.27 smd: 1(-1.143,0) 2(1.143,0)
SD7344MM
  rect 2.301x2.499 smd: 1(-3.1,0) 2(3.1,0)
SDMX-8-X
  rect 1.9x1.1 smd: 1(-4.6,8.89) 2(-4.6,6.35) 3(-4.6,3.81) 4(-4.6,1.27) 5(-4.6,-1.27) 6(-4.6,-3.81) 7(-4.6,-6.35) 8(-4.6,-8.89) 9(4.6,-8.89) 10(4.6,-6.35) 11(4.6,-3.81) 12(4.6,-1.27) 13(4.6,1.27) 14(4.6,3.81) 15(4.6,6.35) 16(4.6,8.89)
SG0479
  round 1.999 hole 1.501: 1(208.53,262.62) 2(205.18,259.27) 3(211.88,259.27) 4(211.88,265.97) 5(205.18,265.97)
SIP-2P
  rect 1.397x1.397 hole 0.914: 1(-1.27,0)
  round 1.397 hole 0.914: 2(1.27,0)
SIP-4P-156
  rect 2.794x2.794 hole 1.778: 1(-5.944,0)
  round 2.794 hole 1.778: 2(-1.981,0) 3(1.981,0) 4(5.944,0)
SL1206
  rect 1.397x1.651 smd: 1(-1.397,0) 2(1.397,0)
SL1812
  rect 1.524x3.175 smd: 1(-2.286,0) 2(2.286,0)
SOC_IRON_6211_484P
  round 1.575 hole 1.626 unplated: (-13.24,11.86) (-13.24,-13.865) (12.485,11.86) (12.485,-13.865)
  round 0.838 hole 0.864 unplated: (-13.24,-8.785) (12.485,9.32)
  round 0.508 smd: A1(-10.5,9.5) A2(-9.5,9.5) A3(-8.5,9.5) A4(-7.5,9.5) A5(-6.5,9.5) A6(-5.5,9.5) A7(-4.5,9.5) A8(-3.5,9.5) A9(-2.5,9.5) A10(-1.5,9.5) A11(-0.5,9.5) A12(0.5,9.5) A13(1.5,9.5) A14(2.5,9.5) A15(3.5,9.5) A16(4.5,9.5) A17(5.5,9.5) A18(6.5,9.5) A19(7.5,9.5) A20(8.5,9.5) A21(9.5,9.5) A22(10.5,9.5) AA1(-10.5,-10.5) AA2(-9.5,-10.5) AA3(-8.5,-10.5) AA4(-7.5,-10.5) AA5(-6.5,-10.5) AA6(-5.5,-10.5) AA7(-4.5,-10.5) AA8(-3.5,-10.5) AA9(-2.5,-10.5) AA10(-1.5,-10.5) AA11(-0.5,-10.5) AA12(0.5,-10.5) AA13(1.5,-10.5) AA14(2.5,-10.5) AA15(3.5,-10.5) AA16(4.5,-10.5) AA17(5.5,-10.5) AA18(6.5,-10.5) AA19(7.5,-10.5) AA20(8.5,-10.5) AA21(9.5,-10.5) AA22(10.5,-10.5) AB1(-10.5,-11.5) AB2(-9.5,-11.5) AB3(-8.5,-11.5) AB4(-7.5,-11.5) AB5(-6.5,-11.5) AB6(-5.5,-11.5) AB7(-4.5,-11.5) AB8(-3.5,-11.5) AB9(-2.5,-11.5) AB10(-1.5,-11.5) AB11(-0.5,-11.5) AB12(0.5,-11.5) AB13(1.5,-11.5) AB14(2.5,-11.5) AB15(3.5,-11.5) AB16(4.5,-11.5) AB17(5.5,-11.5) AB18(6.5,-11.5) AB19(7.5,-11.5) AB20(8.5,-11.5) AB21(9.5,-11.5) AB22(10.5,-11.5) B1(-10.5,8.5) B2(-9.5,8.5) B3(-8.5,8.5) B4(-7.5,8.5) B5(-6.5,8.5) B6(-5.5,8.5) B7(-4.5,8.5) B8(-3.5,8.5) B9(-2.5,8.5) B10(-1.5,8.5) B11(-0.5,8.5) B12(0.5,8.5) B13(1.5,8.5) B14(2.5,8.5) B15(3.5,8.5) B16(4.5,8.5) B17(5.5,8.5) B18(6.5,8.5) B19(7.5,8.5) B20(8.5,8.5) B21(9.5,8.5) B22(10.5,8.5) C1(-10.5,7.5) C2(-9.5,7.5) C3(-8.5,7.5) C4(-7.5,7.5) C5(-6.5,7.5) C6(-5.5,7.5) C7(-4.5,7.5) C8(-3.5,7.5) C9(-2.5,7.5) C10(-1.5,7.5) C11(-0.5,7.5) C12(0.5,7.5) C13(1.5,7.5) C14(2.5,7.5) C15(3.5,7.5) C16(4.5,7.5) C17(5.5,7.5) C18(6.5,7.5) C19(7.5,7.5) C20(8.5,7.5) C21(9.5,7.5) C22(10.5,7.5) D1(-10.5,6.5) D2(-9.5,6.5) D3(-8.5,6.5) D4(-7.5,6.5) D5(-6.5,6.5) D6(-5.5,6.5) D7(-4.5,6.5) D8(-3.5,6.5) D9(-2.5,6.5) D10(-1.5,6.5) D11(-0.5,6.5) D12(0.5,6.5) D13(1.5,6.5) D14(2.5,6.5) D15(3.5,6.5) D16(4.5,6.5) D17(5.5,6.5) D18(6.5,6.5) D19(7.5,6.5) D20(8.5,6.5) D21(9.5,6.5) D22(10.5,6.5) E1(-10.5,5.5) E2(-9.5,5.5) E3(-8.5,5.5) E4(-7.5,5.5) E5(-6.5,5.5) E6(-5.5,5.5) E7(-4.5,5.5) E8(-3.5,5.5) E9(-2.5,5.5) E10(-1.5,5.5) E11(-0.5,5.5) E12(0.5,5.5) E13(1.5,5.5) E14(2.5,5.5) E15(3.5,5.5) E16(4.5,5.5) E17(5.5,5.5) E18(6.5,5.5) E19(7.5,5.5) E20(8.5,5.5) E21(9.5,5.5) E22(10.5,5.5) F1(-10.5,4.5) F2(-9.5,4.5) F3(-8.5,4.5) F4(-7.5,4.5) F5(-6.5,4.5) F6(-5.5,4.5) F7(-4.5,4.5) F8(-3.5,4.5) F9(-2.5,4.5) F10(-1.5,4.5) F11(-0.5,4.5) F12(0.5,4.5) F13(1.5,4.5) F14(2.5,4.5) F15(3.5,4.5) F16(4.5,4.5) F17(5.5,4.5) F18(6.5,4.5) F19(7.5,4.5) F20(8.5,4.5) F21(9.5,4.5) F22(10.5,4.5) G1(-10.5,3.5) G2(-9.5,3.5) G3(-8.5,3.5) G4(-7.5,3.5) G5(-6.5,3.5) G6(-5.5,3.5) G7(-4.5,3.5) G8(-3.5,3.5) G9(-2.5,3.5) G10(-1.5,3.5) G11(-0.5,3.5) G12(0.5,3.5) G13(1.5,3.5) G14(2.5,3.5) G15(3.5,3.5) G16(4.5,3.5) G17(5.5,3.5) G18(6.5,3.5) G19(7.5,3.5) G20(8.5,3.5) G21(9.5,3.5) G22(10.5,3.5) H1(-10.5,2.5) H2(-9.5,2.5) H3(-8.5,2.5) H4(-7.5,2.5) H5(-6.5,2.5) H6(-5.5,2.5) H7(-4.5,2.5) H8(-3.5,2.5) H9(-2.5,2.5) H10(-1.5,2.5) H11(-0.5,2.5) H12(0.5,2.5) H13(1.5,2.5) H14(2.5,2.5) H15(3.5,2.5) H16(4.5,2.5) H17(5.5,2.5) H18(6.5,2.5) H19(7.5,2.5) H20(8.5,2.5) H21(9.5,2.5) H22(10.5,2.5) J1(-10.5,1.5) J2(-9.5,1.5) J3(-8.5,1.5) J4(-7.5,1.5) J5(-6.5,1.5) J6(-5.5,1.5) J7(-4.5,1.5) J8(-3.5,1.5) J9(-2.5,1.5) J10(-1.5,1.5) J11(-0.5,1.5) J12(0.5,1.5) J13(1.5,1.5) J14(2.5,1.5) J15(3.5,1.5) J16(4.5,1.5) J17(5.5,1.5) J18(6.5,1.5) J19(7.5,1.5) J20(8.5,1.5) J21(9.5,1.5) J22(10.5,1.5) K1(-10.5,0.5) K2(-9.5,0.5) K3(-8.5,0.5) K4(-7.5,0.5) K5(-6.5,0.5) K6(-5.5,0.5) K7(-4.5,0.5) K8(-3.5,0.5) K9(-2.5,0.5) K10(-1.5,0.5) K11(-0.5,0.5) K12(0.5,0.5) K13(1.5,0.5) K14(2.5,0.5) K15(3.5,0.5) K16(4.5,0.5) K17(5.5,0.5) K18(6.5,0.5) K19(7.5,0.5) K20(8.5,0.5) K21(9.5,0.5) K22(10.5,0.5) L1(-10.5,-0.5) L2(-9.5,-0.5) L3(-8.5,-0.5) L4(-7.5,-0.5) L5(-6.5,-0.5) L6(-5.5,-0.5) L7(-4.5,-0.5) L8(-3.5,-0.5) L9(-2.5,-0.5) L10(-1.5,-0.5) L11(-0.5,-0.5) L12(0.5,-0.5) L13(1.5,-0.5) L14(2.5,-0.5) L15(3.5,-0.5) L16(4.5,-0.5) L17(5.5,-0.5) L18(6.5,-0.5) L19(7.5,-0.5) L20(8.5,-0.5) L21(9.5,-0.5) L22(10.5,-0.5) M1(-10.5,-1.5) M2(-9.5,-1.5) M3(-8.5,-1.5) M4(-7.5,-1.5) M5(-6.5,-1.5) M6(-5.5,-1.5) M7(-4.5,-1.5) M8(-3.5,-1.5) M9(-2.5,-1.5) M10(-1.5,-1.5) M11(-0.5,-1.5) M12(0.5,-1.5) M13(1.5,-1.5) M14(2.5,-1.5) M15(3.5,-1.5) M16(4.5,-1.5) M17(5.5,-1.5) M18(6.5,-1.5) M19(7.5,-1.5) M20(8.5,-1.5) M21(9.5,-1.5) M22(10.5,-1.5) N1(-10.5,-2.5) N2(-9.5,-2.5) N3(-8.5,-2.5) N4(-7.5,-2.5) N5(-6.5,-2.5) N6(-5.5,-2.5) N7(-4.5,-2.5) N8(-3.5,-2.5) N9(-2.5,-2.5) N10(-1.5,-2.5) N11(-0.5,-2.5) N12(0.5,-2.5) N13(1.5,-2.5) N14(2.5,-2.5) N15(3.5,-2.5) N16(4.5,-2.5) N17(5.5,-2.5) N18(6.5,-2.5) N19(7.5,-2.5) N20(8.5,-2.5) N21(9.5,-2.5) N22(10.5,-2.5) P1(-10.5,-3.5) P2(-9.5,-3.5) P3(-8.5,-3.5) P4(-7.5,-3.5) P5(-6.5,-3.5) P6(-5.5,-3.5) P7(-4.5,-3.5) P8(-3.5,-3.5) P9(-2.5,-3.5) P10(-1.5,-3.5) P11(-0.5,-3.5) P12(0.5,-3.5) P13(1.5,-3.5) P14(2.5,-3.5) P15(3.5,-3.5) P16(4.5,-3.5) P17(5.5,-3.5) P18(6.5,-3.5) P19(7.5,-3.5) P20(8.5,-3.5) P21(9.5,-3.5) P22(10.5,-3.5) R1(-10.5,-4.5) R2(-9.5,-4.5) R3(-8.5,-4.5) R4(-7.5,-4.5) R5(-6.5,-4.5) R6(-5.5,-4.5) R7(-4.5,-4.5) R8(-3.5,-4.5) R9(-2.5,-4.5) R10(-1.5,-4.5) R11(-0.5,-4.5) R12(0.5,-4.5) R13(1.5,-4.5) R14(2.5,-4.5) R15(3.5,-4.5) R16(4.5,-4.5) R17(5.5,-4.5) R18(6.5,-4.5) R19(7.5,-4.5) R20(8.5,-4.5) R21(9.5,-4.5) R22(10.5,-4.5) T1(-10.5,-5.5) T2(-9.5,-5.5) T3(-8.5,-5.5) T4(-7.5,-5.5) T5(-6.5,-5.5) T6(-5.5,-5.5) T7(-4.5,-5.5) T8(-3.5,-5.5) T9(-2.5,-5.5) T10(-1.5,-5.5) T11(-0.5,-5.5) T12(0.5,-5.5) T13(1.5,-5.5) T14(2.5,-5.5) T15(3.5,-5.5) T16(4.5,-5.5) T17(5.5,-5.5) T18(6.5,-5.5) T19(7.5,-5.5) T20(8.5,-5.5) T21(9.5,-5.5) T22(10.5,-5.5) U1(-10.5,-6.5) U2(-9.5,-6.5) U3(-8.5,-6.5) U4(-7.5,-6.5) U5(-6.5,-6.5) U6(-5.5,-6.5) U7(-4.5,-6.5) U8(-3.5,-6.5) U9(-2.5,-6.5) U10(-1.5,-6.5) U11(-0.5,-6.5) U12(0.5,-6.5) U13(1.5,-6.5) U14(2.5,-6.5) U15(3.5,-6.5) U16(4.5,-6.5) U17(5.5,-6.5) U18(6.5,-6.5) U19(7.5,-6.5) U20(8.5,-6.5) U21(9.5,-6.5) U22(10.5,-6.5) V1(-10.5,-7.5) V2(-9.5,-7.5) V3(-8.5,-7.5) V4(-7.5,-7.5) V5(-6.5,-7.5) V6(-5.5,-7.5) V7(-4.5,-7.5) V8(-3.5,-7.5) V9(-2.5,-7.5) V10(-1.5,-7.5) V11(-0.5,-7.5) V12(0.5,-7.5) V13(1.5,-7.5) V14(2.5,-7.5) V15(3.5,-7.5) V16(4.5,-7.5) V17(5.5,-7.5) V18(6.5,-7.5) V19(7.5,-7.5) V20(8.5,-7.5) V21(9.5,-7.5) V22(10.5,-7.5) W1(-10.5,-8.5) W2(-9.5,-8.5) W3(-8.5,-8.5) W4(-7.5,-8.5) W5(-6.5,-8.5) W6(-5.5,-8.5) W7(-4.5,-8.5) W8(-3.5,-8.5) W9(-2.5,-8.5) W10(-1.5,-8.5) W11(-0.5,-8.5) W12(0.5,-8.5) W13(1.5,-8.5) W14(2.5,-8.5) W15(3.5,-8.5) W16(4.5,-8.5) W17(5.5,-8.5) W18(6.5,-8.5) W19(7.5,-8.5) W20(8.5,-8.5) W21(9.5,-8.5) W22(10.5,-8.5) Y1(-10.5,-9.5) Y2(-9.5,-9.5) Y3(-8.5,-9.5) Y4(-7.5,-9.5) Y5(-6.5,-9.5) Y6(-5.5,-9.5) Y7(-4.5,-9.5) Y8(-3.5,-9.5) Y9(-2.5,-9.5) Y10(-1.5,-9.5) Y11(-0.5,-9.5) Y12(0.5,-9.5) Y13(1.5,-9.5) Y14(2.5,-9.5) Y15(3.5,-9.5) Y16(4.5,-9.5) Y17(5.5,-9.5) Y18(6.5,-9.5) Y19(7.5,-9.5) Y20(8.5,-9.5) Y21(9.5,-9.5) Y22(10.5,-9.5)